# KiCad board ShinyAddOn_panel_2.kicad_pcb (continued)
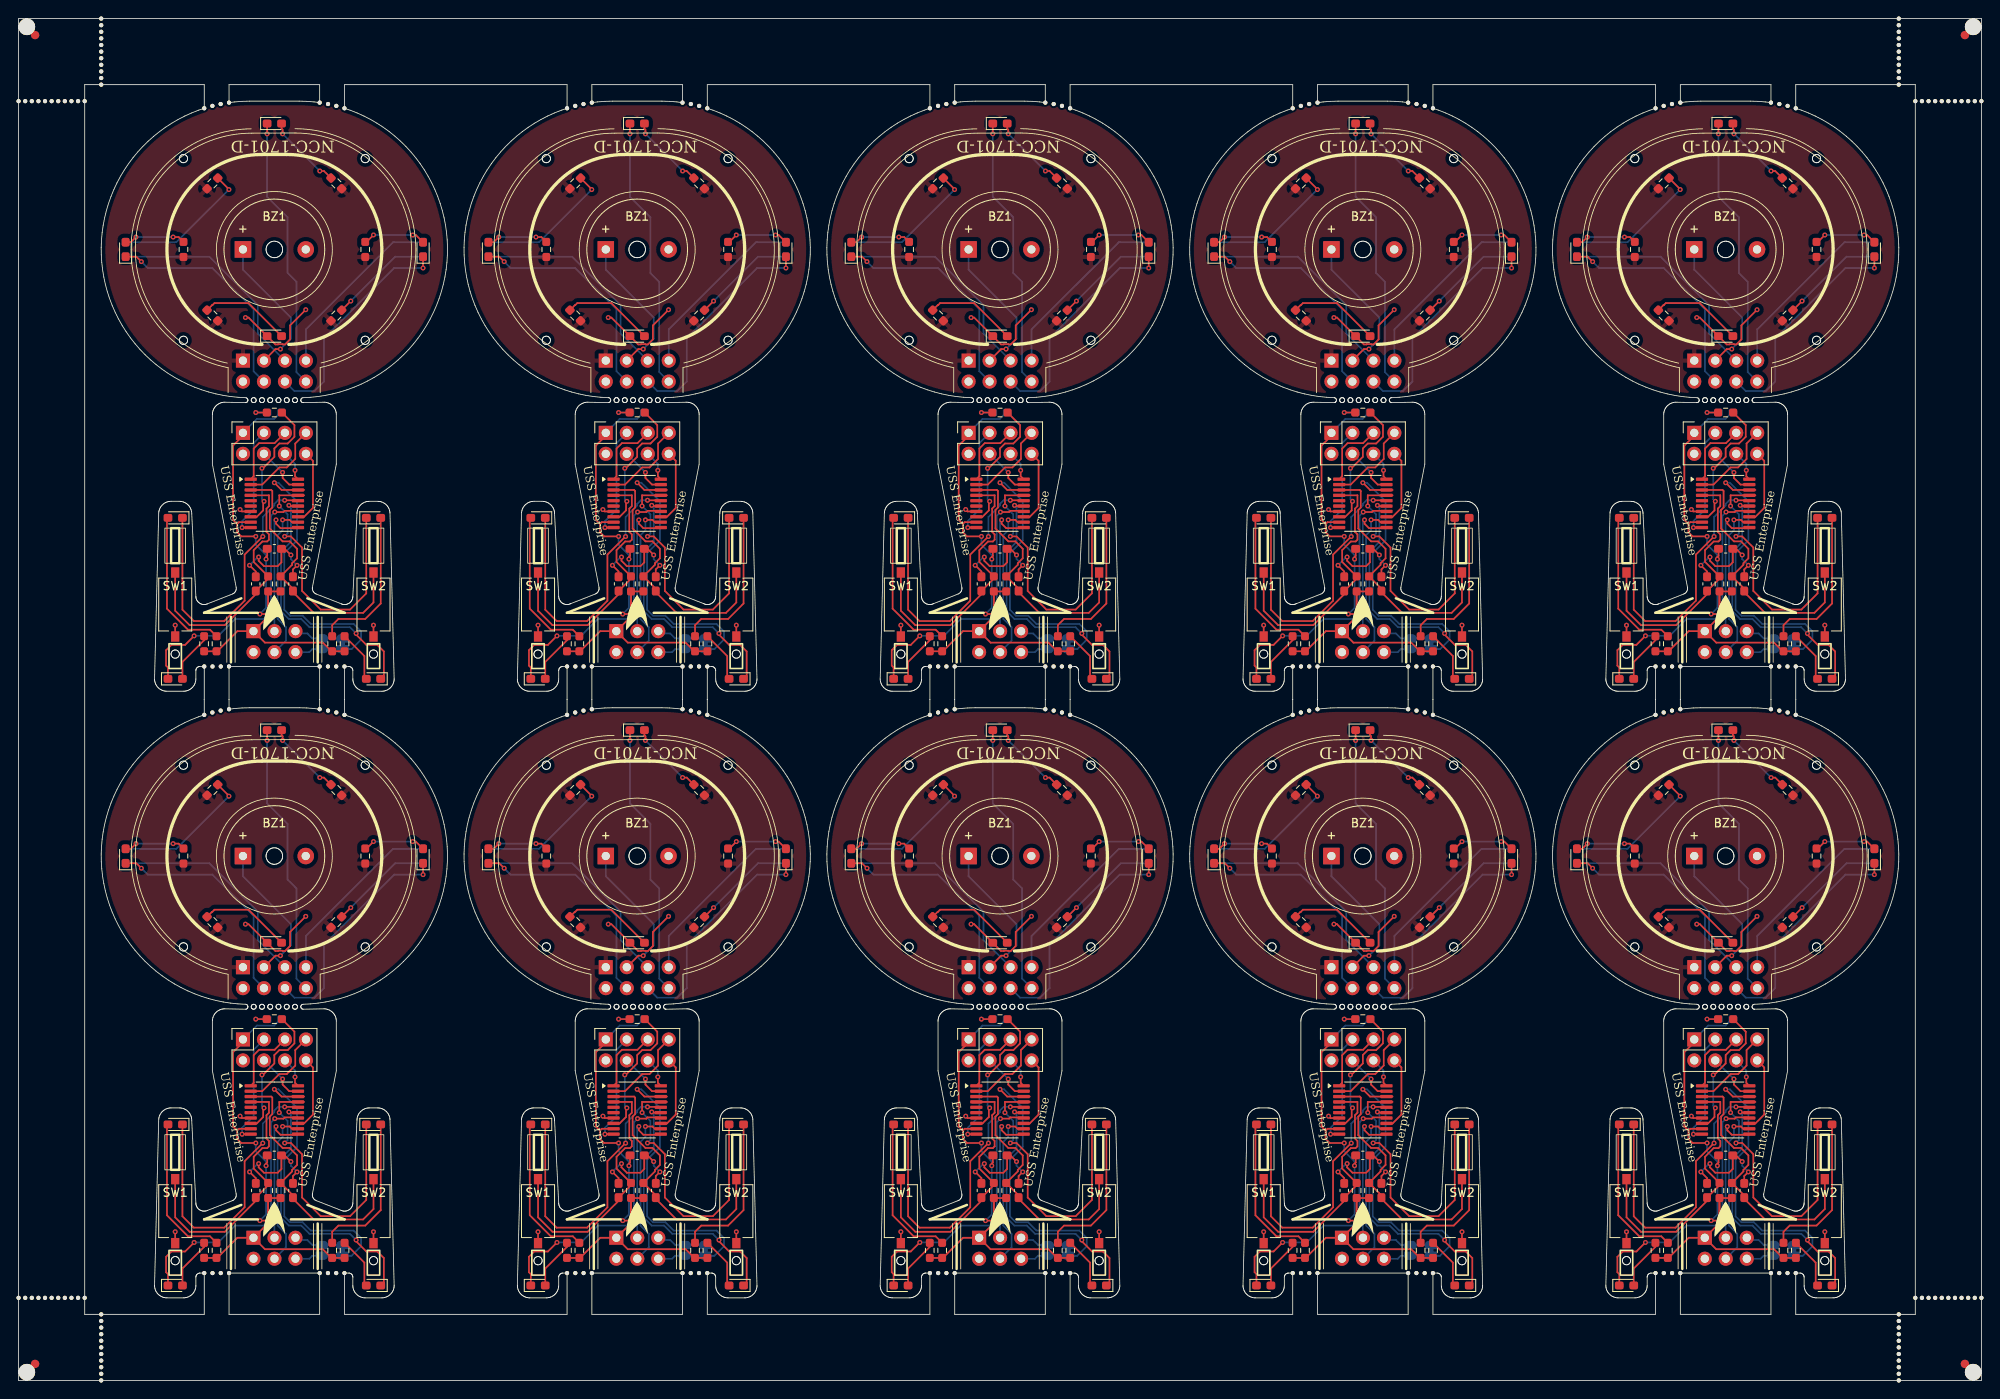
[diagram p0: board, top side]
## Routing (per net, layer and track width the routed paths; a pad name or vN(x,y) marks a point on that pad's centre or on a via; arc(x,y) is an arc through that point) (continued)
Board_5-Net-(D4-A): length 6.2
  Top w0.2: R4#5.2 22.46,16.18 19.83,13.55 D4#9.2
Board_5-Net-(D5-A): length 9.4
  Top w0.2: D5#4.2 31.83,78.13 31.96,78 v1(31.96,77.5) ; R5#3.2 36.96,73 v1(36.46,73)
  Bottom w0.2: v1(31.96,77.5) v1(36.46,73)
Board_5-Net-(D6-A): length 18.4
  Top w0.2: R6#6.2 23.17,17.45 20.51,17.45 17.96,20 17.96,30.73 18.16,30.93
Board_5-Net-(D7-A): length 18.7
  Top w0.2: R7#9.2 37.96,18 38.71,18.75 41.96,18.75 43.83,20.62 D7#7.2
Board_5-Net-(D8-A): length 7.6
  Top w0.2: D8#5.2 13.58,64.38 v1(14.21,65) ; 19.92,64.38 R10#9.2 19.37,65 v1(18.71,65)
  Bottom w0.2: v1(14.21,65) v1(18.71,65)
Board_5-Net-(D9-A): length 7.8
  Top w0.2: v1(42.96,65.25) 42.12,64.41 R11#4.2 41.99,64.38 ; D9#2.2 48.08,65.25 v1(47.71,65.25)
  Bottom w0.2: v1(42.96,65.25) v1(47.71,65.25)
Board_5-Net-(D10-A): length 17.1
  Top w0.2: R12#2.2 25.46,70.79 v1(25.46,70.75)
  Bottom w0.2: v1(25.46,70.75) 19.08,64.38 D10#2.2
Board_5-Net-(D11-A): length 12.5
  Top w0.2: R13#8.2 v1(40.21,57.25)
  Bottom w0.2: D11#8.2 45.58,62.63 v1(40.21,57.25)
Board_5-Net-(JP1-B): length 37.2
  Top w0.2: U1#9.18 34.56,34.38 ; U1#9.18 33.08,34.38 ; U1#9.18 31.83,34.38 v1(30.96,35.25)
  Bottom w0.2: v1(30.96,35.25) 31.46,35.25 33.71,33 33.71,28.27 32.16,26.72 32.16,19.87 32.87,19.15 34.37,19.15 35.37,18.15 40.56,18.15 41.46,17.25 41.46,16.25 40.31,15.1 JP1#6.2 40.15,15.1
Board_5-Net-(U1-PD0): length 16.7
  Top w0.2: R2#3.2 33.39,42.23 33.39,40.81 32.57,40 31.56,40 30.96,39.4 30.96,38.38 29.57,37 v1(29.46,37) ; U1#9.8 28.83,31.12 29.6,31.9 29.6,32.9 v1(29.71,33)
  Bottom w0.2: v1(29.71,33) 29.46,33.25 v1(29.46,37)
Board_5-VCC: length 64.3
  Top w0.2: J5#8.1 29.82,15.89 36.82,15.89 37.87,14.84 R7#9.1 R3.1 ; J5#8.1 30.21,19.05 R9#6.1 ; J5#8.1 26.48,17.28 24.04,14.84 R6#6.1 R4#5.1 ; v1(28.71,28.75) 26.96,28.75 26.46,29.25 26.46,30.25 ; R9#6.1 30.21,19.35 v1(29.21,19.35) ; R9#6.1 31.96,22.09 ; 27.25,41.29 26.71,40.75 26.71,40.5 25.96,39.75 25.96,30.75 26.46,30.25 ; 26.46,30.25 26.68,30.48 U1#9.9 ; v1(29.96,26) 29.96,26.25 30.09,26.39 C3#10.1
  Bottom w0.2: v1(28.71,28.75) 28.71,27.75 29.96,26.5 v1(29.96,26) 29.96,20.1 v1(29.21,19.35) ; J4.1 28.84,42.98 30.93,42.98 31.71,43.75 D2#3.2
Board_6-/blue gondeln left: length 33.4
  Top w0.2: v1(65.16,16.71) 64.07,15.61 62.41,15.61 61.77,14.97 61.77,13.1 61.99,12.88 D4#7.1 ; v1(74.92,31.7) 75.97,31.7 76.12,31.85 77.66,31.85 U1#7.14
  Bottom w0.2: v1(65.16,16.71) 68.08,16.71 70.12,18.75 73.62,18.75 74.47,19.6 74.47,31.25 v1(74.92,31.7)
Board_6-/blue gondeln right: length 32.6
  Top w0.2: U1#7.15 76.72,32.43 v1(76.63,32.51) ; D3#2.1 88.12,11.88 88.12,14.82 87.33,15.61 86.01,15.61 84.77,16.85 v1(84.77,17)
  Bottom w0.2: v1(76.63,32.51) 76.87,32.27 76.87,28.09 75.67,26.89 75.67,19.7 76.62,18.75 78.12,18.75 79.12,17.75 84.02,17.75 v1(84.77,17)
Board_6-/blue_front: length 42.5
  Top w0.2: U1#7.13 78.47,31.12 79.54,32.2 79.54,37.9 J4#9.8 ; D5#10.1 73.99,77.38
  Bottom w0.2: J1#8.8 77.54,48.65 77.54,59.58 76.47,60.65 76.47,67.4 73.99,69.88 v1(73.99,77.5)
Board_6-/buzzer: length 31.2
  Top w0.2: J1#8.3 75,51.43 v1(75.6,51.43) ; U1#7.10 72,29.82 v1(70.97,29.82)
  Bottom w0.2: BZ1#10.1 71.07,61.05 76.87,55.25 76.87,52.7 v1(75.6,51.43) ; v1(70.97,29.82) 70.97,30.6 72.37,32 72.37,40.05 J4#9.3
Board_6-/GPIO1: length 5.3
  Bottom w0.2: 79.87,16.4 79.47,16.4 78.87,17 77.7,17 J5#2.5 ; JP1#7.1 J3#7.2
Board_6-/GPIO2: length 3.1
  Top w0.2: 77.79,15.1 J5#2.6
  Bottom w0.2: J5#2.6 79.1,14.74 79.47,15.1 79.87,15.1
Board_6-/LED dish bottom l: length 34.9
  Top w0.2: U1#7.1 72.37,36.04 72.37,39.39 73.02,40.04 74.9,40.04 J4#9.5
  Bottom w0.2: J1#8.5 72.87,53.32 72.87,56.75 66.99,62.63 D10#5.1
Board_6-/LED dish bottom r: length 32.7
  Top w0.2: U1#7.2 73.39,35.03 75.47,37.1 76.37,37.1 77.4,38.13 77.4,40 J4#9.7
  Bottom w0.2: J1#8.7 78.69,53.82 89.24,64.38 D11#10.1
Board_6-/LED dish top left: length 33.5
  Top w0.2: D8#6.1 58.17,62.63 v1(58.77,62.03) ; v1(75.87,36.5) 75.87,35.83 76.67,35.03 U1#7.19
  Bottom w0.2: v1(58.77,62.03) 59.54,61.25 67.37,61.25 72.36,56.26 72.36,48.75 J1#8.4 ; v1(75.87,36.5) 73.62,38.75 J4#9.4
Board_6-/LED dish top right: length 32.1
  Top w0.2: 76.38,38.24 76.38,38.75 ; D9#8.1 v1(92.87,61.25) ; v1(77.37,36.75) 77.37,36.04 U1#7.20
  Bottom w0.2: v1(77.37,36.75) 77.37,37.53 J4#9.6 ; J1#8.6 77.3,46.35 79.72,46.35 80.87,47.5 80.87,52.75 89.37,61.25 v1(92.87,61.25)
Board_6-/red_gondeln_left: length 36.5
  Top w0.2: v1(73.47,28.73) 73.45,28.73 71.27,26.55 71.27,20.97 68.8,18.5 65.12,18.5 63.74,19.88 D6#2.1 ; U1#7.16 77.68,33.12 v1(76.12,33.12)
  Bottom w0.2: v1(73.47,28.73) 73.47,31.1 74.87,32.5 74.87,32.68 75.31,33.12 v1(76.12,33.12)
Board_6-/red_gondeln_right: length 35.9
  Top w0.2: D7#6.1 85.99,21.85 84.03,19.89 80.48,19.89 78.22,22.15 78.22,27.4 76.87,28.75 v1(76.12,28.75) ; U1#7.17 75.47,33.73 v1(75.47,32.43) ; U1#7.17 76.99,33.73 ; U1#7.17 78.47,33.73
  Bottom w0.2: v1(76.12,28.75) 76.47,29.1 76.47,31.43 v1(75.47,32.43)
Board_6-/SCL: length 19.2
  Top w0.2: v1(75.87,30.75) 76.72,30.75 76.99,30.48 U1#7.12
  Bottom w0.2: J5#2.4 76.27,16.12 76.27,17.75 75.27,18.76 75.27,28.89 75.87,29.49 v1(75.87,30.75)
Board_6-/SDA: length 17.6
  Top w0.2: v1(75.07,30.75) 75.07,30.29 75.61,29.75 77.66,29.75 U1#7.11
  Bottom w0.2: v1(75.07,30.75) 74.87,30.55 74.87,17.29 J5#2.3 74.39,17.77
Board_6-/sw1: length 33.5
  Top w0.2: U1#7.4 74.22,33.73 74.22,32.42 73.92,32.11 73.92,29.3 74.22,29 74.22,28.35 74,28.13 73.42,28.13 72.37,27.09 72.37,25.66 R9#2.2 74.12,23.64 C1#9.1 72.62,21.75 68.87,18 64.62,18 62.87,19.75 SW1.1
Board_6-/sw2: length 33.3
  Top w0.2: SW2#9.1 86.87,20.75 85.61,19.49 79.63,19.49 77.12,22 C2#10.1 77.12,22.41 R8.2 77.02,25.31 77.02,25.5 77.62,26.1 77.62,27.25 76.72,28.15 75.87,28.15 74.32,29.7 74.32,31.95 74.62,32.25 74.62,34.25 74.49,34.38 U1#7.3
Board_6-GND: length 29.2
  Top w0.2: 76.12,26.86 C3#5.2 ; C3#5.2 75.73,25.61 75.27,25.15 73.62,25.15 72.97,25.8 v1(72.97,26.25) ; C3#5.2 76.12,27.25 v1(76.87,26.5) ; v1(71.37,55.25) 71.74,55.25 D1#3.1 74.99,52 75.32,52 75.35,52.03 75.85,52.03 75.89,52 76.17,52 76.77,52.6 76.77,54.3 v1(78.67,56.2) ; v1(62.87,18) SW1.2 ; v1(70.72,32) 70.94,31.78 U1#7.7 ; v1(86.87,18) SW2#9.2 ; v1(71.87,25.25) 72.62,24.5 C1#9.2 ; C2#10.2 77.12,24.75 v1(77.62,25.25)
  Bottom w0.2: v1(72.97,26.25) 72.87,26.25 v1(71.87,25.25) ; v1(77.62,25.25) 76.87,26 v1(76.87,26.5)
Board_6-Net-(D1-A): length 11
  Top w0.2: D1#3.2 71.74,57 67.62,57 67.37,56.75 67.33,56.75 R1#2.2
Board_6-Net-(D2-K): length 2.7
  Top w0.2: R2.1 v1(72.62,43.75)
  Bottom w0.2: v1(72.62,43.75) D2#2.1
Board_6-Net-(D3-A): length 6.2
  Top w0.2: R3#4.2 85.77,14.26 85.77,11.73 D3#2.2
Board_6-Net-(D4-A): length 6.2
  Top w0.2: R4#10.2 66.37,16.18 63.74,13.55 D4#7.2
Board_6-Net-(D5-A): length 9.4
  Top w0.2: R5.2 80.87,73 v1(80.37,73) ; v1(75.87,77.5) 75.87,78 75.74,78.13 D5#10.2
  Bottom w0.2: v1(75.87,77.5) v1(80.37,73)
Board_6-Net-(D6-A): length 18.4
  Top w0.2: R6.2 67.08,17.45 64.42,17.45 61.87,20 61.87,30.73 62.07,30.93
Board_6-Net-(D7-A): length 18.7
  Top w0.2: D7#6.2 87.74,20.62 85.87,18.75 82.62,18.75 81.87,18 R7#6.2
Board_6-Net-(D8-A): length 7.6
  Top w0.2: 63.83,64.38 R10#10.2 63.28,65 v1(62.62,65) ; D8#6.2 57.49,64.38 v1(58.12,65)
  Bottom w0.2: v1(58.12,65) v1(62.62,65)
Board_6-Net-(D9-A): length 7.8
  Top w0.2: v1(86.87,65.25) 86.03,64.41 R11.2 85.91,64.38 ; v1(91.62,65.25) 91.99,65.25 D9#8.2
  Bottom w0.2: v1(86.87,65.25) v1(91.62,65.25)
Board_6-Net-(D10-A): length 17.1
  Top w0.2: v1(69.37,70.75) 69.37,70.79 R12#4.2
  Bottom w0.2: D10#5.2 62.99,64.38 v1(69.37,70.75)
Board_6-Net-(D11-A): length 12.5
  Top w0.2: R13#3.2 v1(84.12,57.25)
  Bottom w0.2: D11#10.2 89.49,62.63 v1(84.12,57.25)
Board_6-Net-(JP1-B): length 37.2
  Top w0.2: 76.99,34.38 U1#7.18 ; U1#7.18 78.47,34.38 ; U1#7.18 75.74,34.38 v1(74.87,35.25)
  Bottom w0.2: 84.07,15.1 JP1#7.2 84.22,15.1 85.37,16.25 85.37,17.25 84.47,18.15 79.28,18.15 78.28,19.15 76.78,19.15 76.07,19.87 76.07,26.72 77.62,28.27 77.62,33 75.37,35.25 v1(74.87,35.25)
Board_6-Net-(U1-PD0): length 16.7
  Top w0.2: v1(73.62,33) 73.52,32.9 73.52,31.9 72.74,31.12 U1#7.8 ; v1(73.37,37) 73.49,37 74.87,38.38 74.87,39.4 75.47,40 76.49,40 77.3,40.81 77.3,42.23 R2.2
  Bottom w0.2: v1(73.37,37) 73.37,33.25 v1(73.62,33)
Board_6-VCC: length 64.3
  Top w0.2: J5#2.1 73.73,15.89 80.73,15.89 81.78,14.84 R7#6.1 R3#4.1 ; J5#2.1 74.12,19.05 R9#2.1 ; J5#2.1 70.39,17.28 67.96,14.84 R6.1 R4#10.1 ; v1(73.12,19.35) 74.12,19.35 R9#2.1 ; 70.37,30.25 70.37,29.25 70.87,28.75 v1(72.62,28.75) ; 70.37,30.25 70.59,30.48 U1#7.9 ; 70.37,30.25 69.87,30.75 69.87,39.75 70.62,40.5 70.62,40.75 71.16,41.29 ; 75.87,22.09 R9#2.1 ; v1(73.87,26) 73.87,26.25 74.01,26.39 C3#5.1
  Bottom w0.2: D2#2.2 75.62,43.75 74.84,42.98 72.75,42.98 J4#9.1 ; v1(72.62,28.75) 72.62,27.75 73.87,26.5 v1(73.87,26) 73.87,20.1 v1(73.12,19.35)
Board_7-/blue gondeln left: length 33.4
  Top w0.2: D4.1 105.91,12.88 105.68,13.1 105.68,14.97 106.33,15.61 107.98,15.61 v1(109.07,16.71) ; U1#8.14 121.57,31.85 120.03,31.85 119.89,31.7 v1(118.83,31.7)
  Bottom w0.2: v1(118.83,31.7) 118.38,31.25 118.38,19.6 117.53,18.75 114.03,18.75 111.99,16.71 v1(109.07,16.71)
Board_7-/blue gondeln right: length 32.6
  Top w0.2: U1#8.15 120.63,32.43 v1(120.55,32.51) ; v1(128.68,17) 128.68,16.85 129.92,15.61 131.24,15.61 132.03,14.82 132.03,11.88 D3#5.1
  Bottom w0.2: v1(120.55,32.51) 120.78,32.27 120.78,28.09 119.58,26.89 119.58,19.7 120.53,18.75 122.03,18.75 123.03,17.75 127.93,17.75 v1(128.68,17)
Board_7-/blue_front: length 42.5
  Top w0.2: D5#9.1 117.91,77.38 ; U1#8.13 122.38,31.12 123.45,32.2 123.45,37.9 J4#4.8
  Bottom w0.2: v1(117.91,77.5) 117.91,69.88 120.38,67.4 120.38,60.65 121.45,59.58 121.45,48.65 J1#3.8
Board_7-/buzzer: length 31.2
  Top w0.2: v1(119.52,51.43) 118.92,51.43 J1#3.3 ; v1(114.88,29.82) 115.91,29.82 U1#8.10
  Bottom w0.2: v1(119.52,51.43) 120.78,52.7 120.78,55.25 114.98,61.05 BZ1#8.1 ; v1(114.88,29.82) 114.88,30.6 116.28,32 116.28,40.05 J4#4.3
Board_7-/GPIO1: length 5.3
  Bottom w0.2: J5.5 121.61,17 122.78,17 123.38,16.4 123.78,16.4 ; JP1#5.1 J3#3.2
Board_7-/GPIO2: length 3.1
  Top w0.2: 121.7,15.1 J5.6
  Bottom w0.2: J5.6 123.02,14.74 123.38,15.1 123.78,15.1
Board_7-/LED dish bottom l: length 34.9
  Top w0.2: U1#8.1 116.28,36.04 116.28,39.39 116.94,40.04 118.81,40.04 J4#4.5
  Bottom w0.2: D10#8.1 110.91,62.63 116.78,56.75 116.78,53.32 J1#3.5
Board_7-/LED dish bottom r: length 32.7
  Top w0.2: U1#8.2 117.31,35.03 119.38,37.1 120.28,37.1 121.31,38.13 121.31,40 J4#4.7
  Bottom w0.2: J1#3.7 122.6,53.82 133.16,64.38 D11#6.1
Board_7-/LED dish top left: length 33.5
  Top w0.2: U1#8.19 120.58,35.03 119.78,35.83 v1(119.78,36.5) ; D8#8.1 102.08,62.63 v1(102.68,62.03)
  Bottom w0.2: J1#3.4 116.27,48.75 116.27,56.26 111.28,61.25 103.46,61.25 v1(102.68,62.03) ; J4#4.4 117.53,38.75 v1(119.78,36.5)
Board_7-/LED dish top right: length 32.1
  Top w0.2: D9#4.1 v1(136.78,61.25) ; 120.29,38.24 120.29,38.75 ; U1#8.20 121.28,36.04 v1(121.28,36.75)
  Bottom w0.2: v1(136.78,61.25) 133.28,61.25 124.78,52.75 124.78,47.5 123.63,46.35 121.21,46.35 J1#3.6 ; J4#4.6 121.28,37.53 v1(121.28,36.75)
Board_7-/red_gondeln_left: length 36.5
  Top w0.2: v1(120.03,33.12) 121.6,33.12 U1#8.16 ; D6#7.1 107.66,19.88 109.03,18.5 112.72,18.5 115.18,20.97 115.18,26.55 117.37,28.73 v1(117.38,28.73)
  Bottom w0.2: v1(120.03,33.12) 119.22,33.12 118.78,32.68 118.78,32.5 117.38,31.1 v1(117.38,28.73)
Board_7-/red_gondeln_right: length 35.9
  Top w0.2: 122.38,33.73 U1#8.17 ; U1#8.17 120.91,33.73 ; U1#8.17 119.38,33.73 v1(119.38,32.43) ; D7#10.1 129.91,21.85 127.95,19.89 124.39,19.89 122.13,22.15 122.13,27.4 120.78,28.75 v1(120.03,28.75)
  Bottom w0.2: v1(119.38,32.43) 120.38,31.43 120.38,29.1 v1(120.03,28.75)
Board_7-/SCL: length 19.2
  Top w0.2: U1#8.12 120.91,30.48 120.63,30.75 v1(119.78,30.75)
  Bottom w0.2: J5.4 120.19,16.12 120.19,17.75 119.18,18.76 119.18,28.89 119.78,29.49 v1(119.78,30.75)
Board_7-/SDA: length 17.6
  Top w0.2: U1#8.11 121.57,29.75 119.53,29.75 118.98,30.29 v1(118.98,30.75)
  Bottom w0.2: 118.3,17.77 J5.3 118.78,17.29 118.78,30.55 v1(118.98,30.75)
Board_7-/sw1: length 33.5
  Top w0.2: U1#8.4 118.13,33.73 118.13,32.42 117.83,32.11 117.83,29.3 118.13,29 118.13,28.35 117.92,28.13 117.33,28.13 116.28,27.09 116.28,25.66 R9#4.2 118.03,23.64 C1#7.1 116.53,21.75 112.78,18 108.53,18 106.78,19.75 SW1#6.1
Board_7-/sw2: length 33.3
  Top w0.2: SW2#6.1 130.78,20.75 129.52,19.49 123.54,19.49 121.03,22 C2#7.1 121.03,22.41 R8#5.2 120.93,25.31 120.93,25.5 121.53,26.1 121.53,27.25 120.63,28.15 119.78,28.15 118.23,29.7 118.23,31.95 118.53,32.25 118.53,34.25 118.41,34.38 U1#8.3
Board_7-GND: length 29.2
  Top w0.2: v1(130.78,18) SW2#6.2 ; C3#4.2 120.03,27.25 v1(120.78,26.5) ; C3#4.2 120.03,26.86 ; C3#4.2 119.65,25.61 119.18,25.15 117.53,25.15 116.88,25.8 v1(116.88,26.25) ; v1(121.53,25.25) 121.03,24.75 C2#7.2 ; U1#8.7 114.86,31.78 v1(114.63,32) ; C1#7.2 116.53,24.5 v1(115.78,25.25) ; v1(106.78,18) SW1#6.2 ; v1(115.28,55.25) 115.66,55.25 D1#4.1 118.91,52 119.23,52 119.27,52.03 119.77,52.03 119.8,52 120.08,52 120.68,52.6 120.68,54.3 v1(122.58,56.2)
  Bottom w0.2: v1(116.88,26.25) 116.78,26.25 v1(115.78,25.25) ; v1(120.78,26.5) 120.78,26 v1(121.53,25.25)
Board_7-Net-(D1-A): length 11
  Top w0.2: R1#3.2 111.24,56.75 111.28,56.75 111.53,57 115.66,57 D1#4.2
Board_7-Net-(D2-K): length 2.7
  Top w0.2: R2#5.1 v1(116.53,43.75)
  Bottom w0.2: v1(116.53,43.75) D2#9.1
Board_7-Net-(D3-A): length 6.2
  Top w0.2: D3#5.2 129.68,11.73 129.68,14.26 R3#3.2
Board_7-Net-(D4-A): length 6.2
  Top w0.2: R4#3.2 110.28,16.18 107.66,13.55 D4.2
Board_7-Net-(D5-A): length 9.4
  Top w0.2: v1(124.28,73) 124.78,73 R5#9.2 ; v1(119.78,77.5) 119.78,78 119.66,78.13 D5#9.2
  Bottom w0.2: v1(119.78,77.5) v1(124.28,73)
Board_7-Net-(D6-A): length 18.4
  Top w0.2: R6#7.2 111,17.45 108.33,17.45 105.78,20 105.78,30.73 105.98,30.93
Board_7-Net-(D7-A): length 18.7
  Top w0.2: D7#10.2 131.66,20.62 129.78,18.75 126.53,18.75 125.78,18 R7#2.2
Board_7-Net-(D8-A): length 7.6
  Top w0.2: v1(102.03,65) 101.41,64.38 D8#8.2 ; 107.75,64.38 R10#4.2 107.2,65 v1(106.53,65)
  Bottom w0.2: v1(102.03,65) v1(106.53,65)
Board_7-Net-(D9-A): length 7.8
  Top w0.2: v1(130.78,65.25) 129.95,64.41 R11#8.2 129.82,64.38 ; v1(135.53,65.25) 135.91,65.25 D9#4.2
  Bottom w0.2: v1(130.78,65.25) v1(135.53,65.25)
Board_7-Net-(D10-A): length 17.1
  Top w0.2: R12#7.2 113.28,70.79 v1(113.28,70.75)
  Bottom w0.2: D10#8.2 106.91,64.38 v1(113.28,70.75)
Board_7-Net-(D11-A): length 12.5
  Top w0.2: R13#9.2 v1(128.03,57.25)
  Bottom w0.2: v1(128.03,57.25) 133.41,62.63 D11#6.2
Board_7-Net-(JP1-B): length 37.2
  Top w0.2: v1(118.78,35.25) 119.66,34.38 U1#8.18 ; U1#8.18 122.38,34.38 ; U1#8.18 120.91,34.38
  Bottom w0.2: v1(118.78,35.25) 119.28,35.25 121.53,33 121.53,28.27 119.98,26.72 119.98,19.87 120.7,19.15 122.2,19.15 123.2,18.15 128.38,18.15 129.28,17.25 129.28,16.25 128.13,15.1 JP1#5.2 127.98,15.1
Board_7-Net-(U1-PD0): length 16.7
  Top w0.2: v1(117.53,33) 117.43,32.9 117.43,31.9 116.66,31.12 U1#8.8 ; R2#5.2 121.21,42.23 121.21,40.81 120.4,40 119.38,40 118.78,39.4 118.78,38.38 117.4,37 v1(117.28,37)
  Bottom w0.2: v1(117.53,33) 117.28,33.25 v1(117.28,37)
Board_7-VCC: length 64.3
  Top w0.2: 114.28,30.25 114.51,30.48 U1#8.9 ; 114.28,30.25 114.28,29.25 114.78,28.75 v1(116.53,28.75) ; 114.28,30.25 113.78,30.75 113.78,39.75 114.53,40.5 114.53,40.75 115.07,41.29 ; J5.1 118.03,19.05 R9#4.1 ; J5.1 114.31,17.28 111.87,14.84 R6#7.1 R4#3.1 ; J5.1 117.65,15.89 124.65,15.89 125.7,14.84 R7#2.1 R3#3.1 ; R9#4.1 119.78,22.09 ; R9#4.1 118.03,19.35 v1(117.03,19.35) ; C3#4.1 117.92,26.39 117.78,26.25 v1(117.78,26)
  Bottom w0.2: v1(117.03,19.35) 117.78,20.1 v1(117.78,26) 117.78,26.5 116.53,27.75 v1(116.53,28.75) ; D2#9.2 119.53,43.75 118.76,42.98 116.67,42.98 J4#4.1
Board_8-/blue gondeln left: length 33.4
  Top w0.2: U1#10.14 165.48,31.85 163.95,31.85 163.8,31.7 v1(162.75,31.7) ; v1(152.99,16.71) 151.89,15.61 150.24,15.61 149.59,14.97 149.59,13.1 149.82,12.88 D4#3.1
  Bottom w0.2: v1(162.75,31.7) 162.3,31.25 162.3,19.6 161.45,18.75 157.95,18.75 155.91,16.71 v1(152.99,16.71)
Board_8-/blue gondeln right: length 32.6
  Top w0.2: v1(172.6,17) 172.6,16.85 173.83,15.61 175.15,15.61 175.95,14.82 175.95,11.88 D3#9.1 ; U1#10.15 164.54,32.43 v1(164.46,32.51)
  Bottom w0.2: v1(172.6,17) 171.85,17.75 166.95,17.75 165.95,18.75 164.45,18.75 163.5,19.7 163.5,26.89 164.7,28.09 164.7,32.27 v1(164.46,32.51)
Board_8-/blue_front: length 42.5
  Top w0.2: J4#2.8 167.37,37.9 167.37,32.2 166.3,31.12 U1#10.13 ; D5#3.1 161.82,77.38
  Bottom w0.2: J1.8 165.37,48.65 165.37,59.58 164.3,60.65 164.3,67.4 161.82,69.88 v1(161.82,77.5)
Board_8-/buzzer: length 31.2
  Top w0.2: J1.3 162.83,51.43 v1(163.43,51.43) ; U1#10.10 159.83,29.82 v1(158.8,29.82)
  Bottom w0.2: J4#2.3 160.2,40.05 160.2,32 158.8,30.6 v1(158.8,29.82) ; BZ1#9.1 158.9,61.05 164.7,55.25 164.7,52.7 v1(163.43,51.43)
Board_8-/GPIO1: length 5.3
  Bottom w0.2: J5#10.5 165.53,17 166.7,17 167.3,16.4 167.7,16.4 ; JP1#4.1 J3#6.2
Board_8-/GPIO2: length 3.1
  Top w0.2: 165.62,15.1 J5#10.6
  Bottom w0.2: 167.7,15.1 167.3,15.1 166.93,14.74 J5#10.6
Board_8-/LED dish bottom l: length 34.9
  Top w0.2: J4#2.5 162.73,40.04 160.85,40.04 160.2,39.39 160.2,36.04 U1#10.1
  Bottom w0.2: D10#6.1 154.82,62.63 160.7,56.75 160.7,53.32 J1.5
Board_8-/LED dish bottom r: length 32.7
  Top w0.2: J4#2.7 165.23,40 165.23,38.13 164.2,37.1 163.3,37.1 161.22,35.03 U1#10.2
  Bottom w0.2: D11#9.1 177.07,64.38 166.52,53.82 J1.7
Board_8-/LED dish top left: length 33.5
  Top w0.2: U1#10.19 164.5,35.03 163.7,35.83 v1(163.7,36.5) ; v1(146.6,62.03) 146,62.63 D8#7.1
  Bottom w0.2: J4#2.4 161.45,38.75 v1(163.7,36.5) ; J1.4 160.19,48.75 160.19,56.26 155.2,61.25 147.37,61.25 v1(146.6,62.03)
Board_8-/LED dish top right: length 32.1
  Top w0.2: U1#10.20 165.2,36.04 v1(165.2,36.75) ; D9.1 v1(180.7,61.25) ; 164.21,38.24 164.21,38.75
  Bottom w0.2: v1(180.7,61.25) 177.2,61.25 168.7,52.75 168.7,47.5 167.55,46.35 165.13,46.35 J1.6 ; v1(165.2,36.75) 165.2,37.53 J4#2.6
Board_8-/red_gondeln_left: length 36.5
  Top w0.2: v1(163.95,33.12) 165.51,33.12 U1#10.16 ; D6#6.1 151.57,19.88 152.95,18.5 156.63,18.5 159.1,20.97 159.1,26.55 161.28,28.73 v1(161.3,28.73)
  Bottom w0.2: v1(161.3,28.73) 161.3,31.1 162.69,32.5 162.69,32.68 163.14,33.12 v1(163.95,33.12)
Board_8-/red_gondeln_right: length 35.9
  Top w0.2: 164.82,33.73 U1#10.17 ; U1#10.17 166.3,33.73 ; U1#10.17 163.29,33.73 v1(163.29,32.43) ; v1(163.95,28.75) 164.7,28.75 166.05,27.4 166.05,22.15 168.31,19.89 171.86,19.89 173.82,21.85 D7#2.1
  Bottom w0.2: v1(163.95,28.75) 164.3,29.1 164.3,31.43 v1(163.29,32.43)
Board_8-/SCL: length 19.2
  Top w0.2: v1(163.7,30.75) 164.55,30.75 164.82,30.48 U1#10.12
  Bottom w0.2: v1(163.7,30.75) 163.7,29.49 163.1,28.89 163.1,18.76 164.1,17.75 164.1,16.12 J5#10.4
Board_8-/SDA: length 17.6
  Top w0.2: U1#10.11 165.48,29.75 163.44,29.75 162.9,30.29 v1(162.9,30.75)
  Bottom w0.2: v1(162.9,30.75) 162.7,30.55 162.7,17.29 J5#10.3 162.22,17.77
Board_8-/sw1: length 33.5
  Top w0.2: SW1#7.1 150.7,19.75 152.45,18 156.7,18 160.45,21.75 C1#3.1 161.95,23.64 R9#3.2 160.2,25.66 160.2,27.09 161.25,28.13 161.83,28.13 162.05,28.35 162.05,29 161.75,29.3 161.75,32.11 162.05,32.42 162.05,33.73 U1#10.4
Board_8-/sw2: length 33.3
  Top w0.2: SW2#7.1 174.7,20.75 173.44,19.49 167.46,19.49 164.95,22 C2#4.1 164.95,22.41 R8#10.2 164.85,25.31 164.85,25.5 165.45,26.1 165.45,27.25 164.55,28.15 163.7,28.15 162.15,29.7 162.15,31.95 162.45,32.25 162.45,34.25 162.32,34.38 U1#10.3
Board_8-GND: length 29.2
  Top w0.2: v1(160.8,26.25) 160.8,25.8 161.45,25.15 163.1,25.15 163.56,25.61 C3#8.2 ; v1(158.55,32) 158.77,31.78 U1#10.7 ; v1(159.7,25.25) 160.45,24.5 C1#3.2 ; v1(165.45,25.25) 164.95,24.75 C2#4.2 ; 163.95,26.86 C3#8.2 ; C3#8.2 163.95,27.25 v1(164.7,26.5) ; v1(174.7,18) SW2#7.2 ; v1(166.5,56.2) 164.6,54.3 164.6,52.6 164,52 163.71,52 163.68,52.03 163.18,52.03 163.15,52 162.82,52 D1#10.1 159.57,55.25 v1(159.2,55.25) ; v1(150.7,18) SW1#7.2
  Bottom w0.2: v1(164.7,26.5) 164.7,26 v1(165.45,25.25) ; v1(160.8,26.25) 160.7,26.25 v1(159.7,25.25)
Board_8-Net-(D1-A): length 11
  Top w0.2: R1#9.2 155.16,56.75 155.2,56.75 155.45,57 159.57,57 D1#10.2
Board_8-Net-(D2-K): length 2.7
  Top w0.2: R2#6.1 v1(160.45,43.75)
  Bottom w0.2: v1(160.45,43.75) D2#10.1
Board_8-Net-(D3-A): length 6.2
  Top w0.2: D3#9.2 173.59,11.73 173.59,14.26 R3#9.2
Board_8-Net-(D4-A): length 6.2
  Top w0.2: D4#3.2 151.57,13.55 154.2,16.18 R4#7.2
Board_8-Net-(D5-A): length 9.4
  Top w0.2: v1(168.2,73) 168.7,73 R5#8.2 ; D5#3.2 163.57,78.13 163.7,78 v1(163.7,77.5)
  Bottom w0.2: v1(163.7,77.5) v1(168.2,73)
Board_8-Net-(D6-A): length 18.4
  Top w0.2: 149.9,30.93 149.7,30.73 149.7,20 152.25,17.45 154.91,17.45 R6#2.2
Board_8-Net-(D7-A): length 18.7
  Top w0.2: D7#2.2 175.57,20.62 173.7,18.75 170.45,18.75 169.7,18 R7#4.2
Board_8-Net-(D8-A): length 7.6
  Top w0.2: 151.66,64.38 R10.2 151.11,65 v1(150.45,65) ; D8#7.2 145.32,64.38 v1(145.95,65)
  Bottom w0.2: v1(145.95,65) v1(150.45,65)
Board_8-Net-(D9-A): length 7.8
  Top w0.2: v1(174.7,65.25) 173.86,64.41 R11#5.2 173.73,64.38 ; v1(179.45,65.25) 179.82,65.25 D9.2
  Bottom w0.2: v1(174.7,65.25) v1(179.45,65.25)
Board_8-Net-(D10-A): length 17.1
  Top w0.2: R12#10.2 157.2,70.79 v1(157.2,70.75)
  Bottom w0.2: v1(157.2,70.75) 150.82,64.38 D10#6.2
Board_8-Net-(D11-A): length 12.5
  Top w0.2: R13.2 v1(171.95,57.25)
  Bottom w0.2: v1(171.95,57.25) 177.32,62.63 D11#9.2
Board_8-Net-(JP1-B): length 37.2
  Top w0.2: 164.82,34.38 U1#10.18 ; U1#10.18 163.57,34.38 v1(162.7,35.25) ; U1#10.18 166.3,34.38
  Bottom w0.2: 171.9,15.1 JP1#4.2 172.05,15.1 173.2,16.25 173.2,17.25 172.3,18.15 167.11,18.15 166.11,19.15 164.61,19.15 163.9,19.87 163.9,26.72 165.45,28.27 165.45,33 163.2,35.25 v1(162.7,35.25)
Board_8-Net-(U1-PD0): length 16.7
  Top w0.2: R2#6.2 165.13,42.23 165.13,40.81 164.31,40 163.3,40 162.7,39.4 162.7,38.38 161.31,37 v1(161.2,37) ; U1#10.8 160.57,31.12 161.35,31.9 161.35,32.9 v1(161.45,33)
  Bottom w0.2: v1(161.2,37) 161.2,33.25 v1(161.45,33)
Board_8-VCC: length 64.3
  Top w0.2: R9#3.1 161.95,19.35 v1(160.95,19.35) ; R9#3.1 163.7,22.09 ; R9#3.1 161.95,19.05 J5#10.1 ; J5#10.1 158.22,17.28 155.78,14.84 R6#2.1 R4#7.1 ; J5#10.1 161.56,15.89 168.56,15.89 169.61,14.84 R7#4.1 R3#9.1 ; v1(160.45,28.75) 158.7,28.75 158.2,29.25 158.2,30.25 ; 158.2,30.25 158.42,30.48 U1#10.9 ; 158.2,30.25 157.7,30.75 157.7,39.75 158.45,40.5 158.45,40.75 158.99,41.29 ; v1(161.7,26) 161.7,26.25 161.83,26.39 C3#8.1
  Bottom w0.2: J4#2.1 160.58,42.98 162.67,42.98 163.45,43.75 D2#10.2 ; v1(160.45,28.75) 160.45,27.75 161.7,26.5 v1(161.7,26) 161.7,20.1 v1(160.95,19.35)
Board_9-/blue gondeln left: length 33.4
  Top w0.2: v1(196.9,16.71) 195.81,15.61 194.15,15.61 193.51,14.97 193.51,13.1 193.74,12.88 D4#8.1 ; v1(206.66,31.7) 207.71,31.7 207.86,31.85 209.4,31.85 U1#4.14
  Bottom w0.2: v1(196.9,16.71) 199.82,16.71 201.86,18.75 205.36,18.75 206.21,19.6 206.21,31.25 v1(206.66,31.7)
Board_9-/blue gondeln right: length 32.6
  Top w0.2: v1(208.37,32.51) 208.46,32.43 U1#4.15 ; D3#8.1 219.86,11.88 219.86,14.82 219.07,15.61 217.75,15.61 216.51,16.85 v1(216.51,17)
  Bottom w0.2: v1(208.37,32.51) 208.61,32.27 208.61,28.09 207.41,26.89 207.41,19.7 208.36,18.75 209.86,18.75 210.86,17.75 215.76,17.75 v1(216.51,17)
Board_9-/blue_front: length 42.5
  Top w0.2: U1#4.13 210.21,31.12 211.28,32.2 211.28,37.9 J4#3.8 ; D5#7.1 205.74,77.38
  Bottom w0.2: v1(205.74,77.5) 205.74,69.88 208.21,67.4 208.21,60.65 209.28,59.58 209.28,48.65 J1#9.8
Board_9-/buzzer: length 31.2
  Top w0.2: v1(207.35,51.43) 206.75,51.43 J1#9.3 ; v1(202.71,29.82) 203.74,29.82 U1#4.10
  Bottom w0.2: v1(207.35,51.43) 208.61,52.7 208.61,55.25 202.81,61.05 BZ1#5.1 ; v1(202.71,29.82) 202.71,30.6 204.11,32 204.11,40.05 J4#3.3
Board_9-/GPIO1: length 5.3
  Bottom w0.2: 211.61,16.4 211.21,16.4 210.61,17 209.44,17 J5#3.5 ; JP1.1 J3#8.2
Board_9-/GPIO2: length 3.1
  Top w0.2: 209.53,15.1 J5#3.6
  Bottom w0.2: 211.61,15.1 211.21,15.1 210.85,14.74 J5#3.6
Board_9-/LED dish bottom l: length 34.9
  Top w0.2: J4#3.5 206.64,40.04 204.76,40.04 204.11,39.39 204.11,36.04 U1#4.1
  Bottom w0.2: J1#9.5 204.61,53.32 204.61,56.75 198.74,62.63 D10.1
Board_9-/LED dish bottom r: length 32.7
  Top w0.2: U1#4.2 205.14,35.03 207.21,37.1 208.11,37.1 209.14,38.13 209.14,40 J4#3.7
  Bottom w0.2: D11#2.1 220.99,64.38 210.43,53.82 J1#9.7
Board_9-/LED dish top left: length 33.5
  Top w0.2: D8#9.1 189.91,62.63 v1(190.51,62.03) ; U1#4.19 208.41,35.03 207.61,35.83 v1(207.61,36.5)
  Bottom w0.2: J4#3.4 205.36,38.75 v1(207.61,36.5) ; J1#9.4 204.1,48.75 204.1,56.26 199.11,61.25 191.29,61.25 v1(190.51,62.03)
Board_9-/LED dish top right: length 32.1
  Top w0.2: 208.12,38.24 208.12,38.75 ; v1(209.11,36.75) 209.11,36.04 U1#4.20 ; D9#3.1 v1(224.61,61.25)
  Bottom w0.2: J1#9.6 209.04,46.35 211.46,46.35 212.61,47.5 212.61,52.75 221.11,61.25 v1(224.61,61.25) ; J4#3.6 209.11,37.53 v1(209.11,36.75)
Board_9-/red_gondeln_left: length 36.5
  Top w0.2: U1#4.16 209.42,33.12 v1(207.86,33.12) ; D6#9.1 195.49,19.88 196.86,18.5 200.55,18.5 203.01,20.97 203.01,26.55 205.19,28.73 v1(205.21,28.73)
  Bottom w0.2: v1(207.86,33.12) 207.05,33.12 206.61,32.68 206.61,32.5 205.21,31.1 v1(205.21,28.73)
Board_9-/red_gondeln_right: length 35.9
  Top w0.2: v1(207.86,28.75) 208.61,28.75 209.96,27.4 209.96,22.15 212.22,19.89 215.77,19.89 217.74,21.85 D7#4.1 ; 210.21,33.73 U1#4.17 ; U1#4.17 207.21,33.73 v1(207.21,32.43) ; U1#4.17 208.74,33.73
  Bottom w0.2: v1(207.86,28.75) 208.21,29.1 208.21,31.43 v1(207.21,32.43)
Board_9-/SCL: length 19.2
  Top w0.2: v1(207.61,30.75) 208.46,30.75 208.74,30.48 U1#4.12
  Bottom w0.2: J5#3.4 208.02,16.12 208.02,17.75 207.01,18.76 207.01,28.89 207.61,29.49 v1(207.61,30.75)
Board_9-/SDA: length 17.6
  Top w0.2: U1#4.11 209.4,29.75 207.36,29.75 206.81,30.29 v1(206.81,30.75)
  Bottom w0.2: 206.13,17.77 J5#3.3 206.61,17.29 206.61,30.55 v1(206.81,30.75)
Board_9-/sw1: length 33.5
  Top w0.2: U1#4.4 205.96,33.73 205.96,32.42 205.66,32.11 205.66,29.3 205.96,29 205.96,28.35 205.75,28.13 205.16,28.13 204.11,27.09 204.11,25.66 R9#9.2 205.86,23.64 C1#5.1 204.36,21.75 200.61,18 196.36,18 194.61,19.75 SW1#3.1
Board_9-/sw2: length 33.3
  Top w0.2: SW2#2.1 218.61,20.75 217.35,19.49 211.37,19.49 208.86,22 C2#5.1 208.86,22.41 R8#7.2 208.76,25.31 208.76,25.5 209.36,26.1 209.36,27.25 208.46,28.15 207.61,28.15 206.06,29.7 206.06,31.95 206.36,32.25 206.36,34.25 206.24,34.38 U1#4.3
Board_9-GND: length 29.2
  Top w0.2: v1(203.61,25.25) 204.36,24.5 C1#5.2 ; C3#7.2 207.86,27.25 v1(208.61,26.5) ; C3#7.2 207.47,25.61 207.01,25.15 205.36,25.15 204.71,25.8 v1(204.71,26.25) ; C3#7.2 207.86,26.86 ; v1(209.36,25.25) 208.86,24.75 C2#5.2 ; v1(218.61,18) SW2#2.2 ; v1(194.61,18) SW1#3.2 ; v1(202.46,32) 202.69,31.78 U1#4.7 ; v1(210.41,56.2) 208.51,54.3 208.51,52.6 207.91,52 207.63,52 207.59,52.03 207.1,52.03 207.06,52 206.74,52 D1#8.1 203.49,55.25 v1(203.11,55.25)
  Bottom w0.2: v1(203.61,25.25) 204.61,26.25 v1(204.71,26.25) ; v1(209.36,25.25) 208.61,26 v1(208.61,26.5)
Board_9-Net-(D1-A): length 11
  Top w0.2: D1#8.2 203.49,57 199.36,57 199.11,56.75 199.07,56.75 R1#10.2
Board_9-Net-(D2-K): length 2.7
  Top w0.2: R2#2.1 v1(204.36,43.75)
  Bottom w0.2: v1(204.36,43.75) D2#8.1
Board_9-Net-(D3-A): length 6.2
  Top w0.2: D3#8.2 217.51,11.73 217.51,14.26 R3#10.2
Board_9-Net-(D4-A): length 6.2
  Top w0.2: R4.2 198.11,16.18 195.49,13.55 D4#8.2
Board_9-Net-(D5-A): length 9.4
  Top w0.2: D5#7.2 207.49,78.13 207.61,78 v1(207.61,77.5) ; v1(212.11,73) 212.61,73 R5#5.2
  Bottom w0.2: v1(207.61,77.5) v1(212.11,73)
Board_9-Net-(D6-A): length 18.4
  Top w0.2: R6#3.2 198.82,17.45 196.16,17.45 193.61,20 193.61,30.73 193.81,30.93
Board_9-Net-(D7-A): length 18.7
  Top w0.2: D7#4.2 219.49,20.62 217.61,18.75 214.36,18.75 213.61,18 R7#5.2
Board_9-Net-(D8-A): length 7.6
  Top w0.2: v1(194.36,65) 195.02,65 R10#2.2 195.57,64.38 ; v1(189.86,65) 189.24,64.38 D8#9.2
  Bottom w0.2: v1(189.86,65) v1(194.36,65)
Board_9-Net-(D9-A): length 7.8
  Top w0.2: 217.65,64.38 R11#3.2 217.77,64.41 v1(218.61,65.25) ; D9#3.2 223.74,65.25 v1(223.36,65.25)
  Bottom w0.2: v1(218.61,65.25) v1(223.36,65.25)
Board_9-Net-(D10-A): length 17.1
  Top w0.2: v1(201.11,70.75) 201.11,70.79 R12#6.2
  Bottom w0.2: v1(201.11,70.75) 194.74,64.38 D10.2
Board_9-Net-(D11-A): length 12.5
  Top w0.2: R13#5.2 v1(215.86,57.25)
  Bottom w0.2: v1(215.86,57.25) 221.24,62.63 D11#2.2
Board_9-Net-(JP1-B): length 37.2
  Top w0.2: 208.74,34.38 U1#4.18 ; U1#4.18 210.21,34.38 ; U1#4.18 207.49,34.38 v1(206.61,35.25)
  Bottom w0.2: 215.81,15.1 JP1.2 215.96,15.1 217.11,16.25 217.11,17.25 216.21,18.15 211.03,18.15 210.03,19.15 208.53,19.15 207.81,19.87 207.81,26.72 209.36,28.27 209.36,33 207.11,35.25 v1(206.61,35.25)
Board_9-Net-(U1-PD0): length 16.7
  Top w0.2: U1#4.8 204.49,31.12 205.26,31.9 205.26,32.9 v1(205.36,33) ; v1(205.11,37) 205.23,37 206.61,38.38 206.61,39.4 207.21,40 208.23,40 209.04,40.81 209.04,42.23 R2#2.2
  Bottom w0.2: v1(205.36,33) 205.11,33.25 v1(205.11,37)
Board_9-VCC: length 64.3
  Top w0.2: R4.1 R6#3.1 199.7,14.84 202.14,17.28 J5#3.1 ; 207.61,22.09 R9#9.1 ; R9#9.1 205.86,19.35 v1(204.86,19.35) ; R9#9.1 205.86,19.05 J5#3.1 ; J5#3.1 205.48,15.89 212.48,15.89 213.52,14.84 R7#5.1 R3#10.1 ; v1(204.36,28.75) 202.61,28.75 202.11,29.25 202.11,30.25 ; 202.9,41.29 202.36,40.75 202.36,40.5 201.61,39.75 201.61,30.75 202.11,30.25 ; 202.11,30.25 202.34,30.48 U1#4.9 ; v1(205.61,26) 205.61,26.25 205.75,26.39 C3#7.1
  Bottom w0.2: v1(204.36,28.75) 204.36,27.75 205.61,26.5 v1(205.61,26) 205.61,20.1 v1(204.86,19.35) ; D2#8.2 207.36,43.75 206.59,42.98 204.5,42.98 J4#3.1

## Copper pours and planes (outline as drawn; the poured copper is in the pictures)
Board_0-GND on Bottom: 5.71,156.46 61.96,155.46 52.21,79.21 9.96,81.46
Board_0-VCC on Top: 8.71,155.46 52.46,155.21 51.66,118.56 9.16,118.56
Board_1-GND on Bottom: 49.62,156.46 105.87,155.46 96.12,79.21 53.87,81.46
Board_1-VCC on Top: 52.62,155.46 96.37,155.21 95.57,118.56 53.07,118.56
Board_2-GND on Bottom: 93.53,156.46 149.78,155.46 140.03,79.21 97.78,81.46
Board_2-VCC on Top: 96.53,155.46 140.28,155.21 139.48,118.56 96.98,118.56
Board_3-GND on Bottom: 137.45,156.46 193.7,155.46 183.95,79.21 141.7,81.46
Board_3-VCC on Top: 140.45,155.46 184.2,155.21 183.4,118.56 140.9,118.56
Board_4-GND on Bottom: 181.36,156.46 237.61,155.46 227.86,79.21 185.61,81.46
Board_4-VCC on Top: 184.36,155.46 228.11,155.21 227.31,118.56 184.81,118.56
Board_5-GND on Bottom: 5.71,83 61.96,82 52.21,5.75 9.96,8
Board_5-VCC on Top: 8.71,82 52.46,81.75 51.66,45.1 9.16,45.1
Board_6-GND on Bottom: 49.62,83 105.87,82 96.12,5.75 53.87,8
Board_6-VCC on Top: 52.62,82 96.37,81.75 95.57,45.1 53.07,45.1
Board_7-GND on Bottom: 93.53,83 149.78,82 140.03,5.75 97.78,8
Board_7-VCC on Top: 96.53,82 140.28,81.75 139.48,45.1 96.98,45.1
Board_8-GND on Bottom: 137.45,83 193.7,82 183.95,5.75 141.7,8
Board_8-VCC on Top: 140.45,82 184.2,81.75 183.4,45.1 140.9,45.1
Board_9-GND on Bottom: 181.36,83 237.61,82 227.86,5.75 185.61,8
Board_9-VCC on Top: 184.36,82 228.11,81.75 227.31,45.1 184.81,45.1

## Text on the board
B.Silkscreen: NCC-1701-D | GPIO1-Prog | https://github.com/dg3vw/Trekkie_Addon
F.Silkscreen: USS Enterprise | NCC-1701-D
